# Allegro board RK_EVB7_RK3588_LP4XD200P232SD8_V11_20230111YWQ.brd (continued)
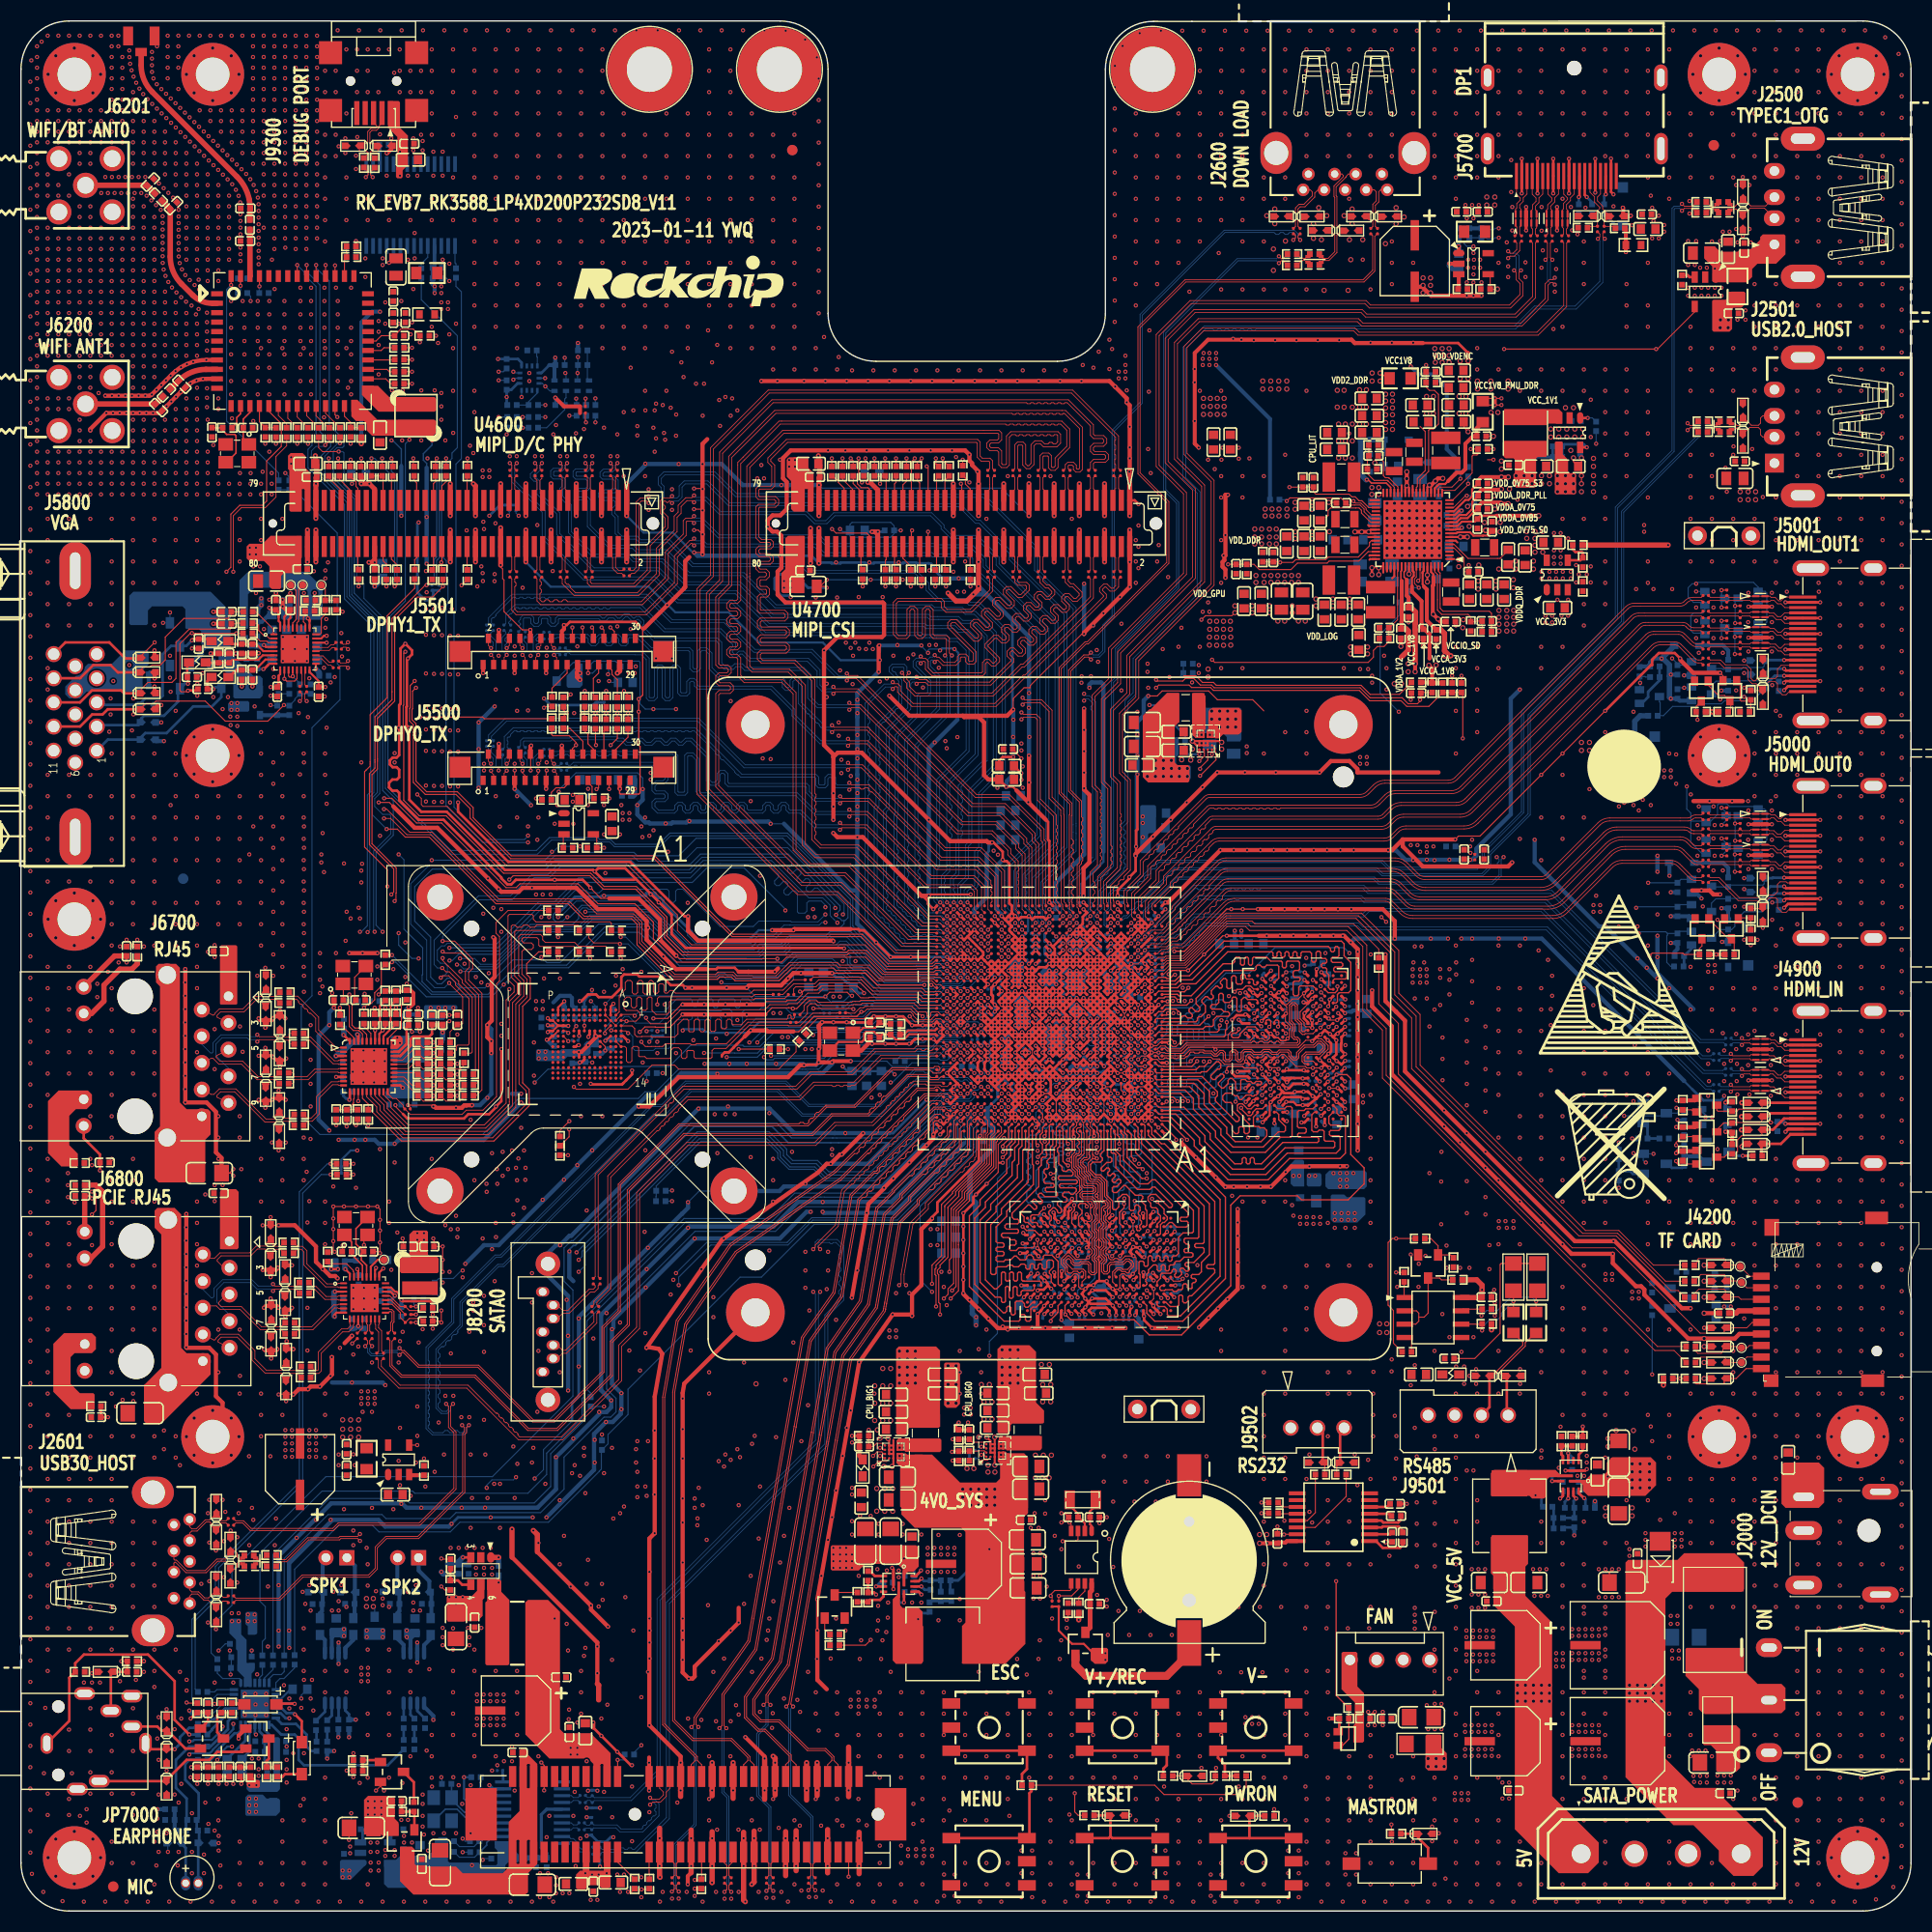
[diagram p0: board, top side]
## Nets (continued)
N20810918: R4623.1 R4654.1 U4600.46(I2C1_SDA_M0)
N20810927: R4625.1 R4653.1 U4600.48(I2C1_SCL_M0)
N20929060: R4652.1 U4600.60(LIGHT_SENSOR2/3/XHS0)
N21016906: C1101.1 R1101.1 Y1100.1(X1)
N21139775: J5501.22 R5541.1
N21252182: Q2000.3(COLLECTOR) R2030.2
N21252215: Q2000.1(BASE) R2031.2 R2032.1
N21575897: D4900.2(K) R4914.1 R4920.1
N22607580: ED9202.1 R9204.2 SW9204.2 SW9204.3
N23213062: R1203.1 U1000.F18(DDR_CH1_ZQ_D)
N23947332: Q4900.1(BASE) R4908.2 R4911.1
N24141374: R1201.1 U1000.H7(DDR_CH0_ZQ_B)
N24452184: R4003.2 R4004.1 U4000.H5(DATA STROBE)
N24510074: D5007.2(K) R5039.1
N24515533: C6816.2 J6800.1(TCT)
N24519353: C6702.2 J6700.1(TCT)
N24731207: Q4901.1(GATE) R4912.2 R4915.1
N25391296: ED7002.1 JP7000.2 Q7000.2(SOURCE)
N25391335: C7026.1 R7026.2
N25391469: ED7003.1 JP7000.3 Q7001.2(SOURCE)
N25391485: C7016.1 R7010.2 R7011.1
N25391524: Q7001.3(DRAIN) R7018.2 R7020.1
N25391526: Q7000.3(DRAIN) R7017.2 R7021.1
N25391783: C7032.1 R7031.2
N25391930: C7018.1 R7013.2 R7016.1
N25392255: C7007.1 U7000.24(LIN1)
N25392257: C7009.1 U7000.22(LIN2)
N25392262: C7010.1 U7000.21(RIN2)
N25392270: C7012.1 U7000.19(ADCVREF)
N25392272: C7013.1 U7000.10(VREF)
N25392276: C7011.1 U7000.20(VMID)
N25392529: R7002.2 U7000.1(MCLK)
N25392543: R7003.2 U7000.5(SCLK)
N25392545: R7004.2 U7000.6(DSDIN)
N25392559: R7005.2 U7000.7(LRCK)
N25392573: R7006.2 U7000.8(ASDOUT)
N25392575: R7007.2 U7000.28(CCLK)
N25392589: R7008.2 U7000.27(CDATA)
N25392640: C7019.2 R7017.1
N25392698: C7021.2 R7018.1
N25392926: C7008.1 U7000.23(RIN1)
N25392986: C7026.2 U7001.4(IN-)
N25392988: C7025.1 R7025.2
N25392990: C7025.2 U7001.3(IN+)
N25392994: C7024.2 U7001.2(BYPASS)
N25393014: L7000.1 U7001.8(VOP)
N25393016: L7001.1 U7001.5(VON)
N25393095: C7030.2 U7002.2(BYPASS)
N25393112: C7032.2 U7002.4(IN-)
N25393114: C7031.1 R7030.2
N25393116: C7031.2 U7002.3(IN+)
N25393126: L7002.1 U7002.8(VOP)
N25393128: L7003.1 U7002.5(VON)
N25393326: C7023.1 Q7000.1(GATE) Q7001.1(GATE) R7023.1
N25499961: R4724.2 U4700.39(MIPI0_MCLK0)
N25504330: R4726.2 U4700.45(I2C0_SDA_M0)
N25504332: R4728.2 U4700.47(I2C0_SCL_M0)
N25504408: R4732.2 U4700.51(MIPI0_0_PDN)
N25507326: R4736.2 U4700.65(MIPI0_PWREN)
N25509379: R4622.2 U4600.45(I2C0_SDA_M0)
N25509383: R4624.2 U4600.47(I2C0_SCL_M0)
N25509701: R4628.2 U4600.51(MIPI0_0_PDN)
N25509820: R4735.2 U4700.57(CAM0/1_FSYNC)
N25577566: R4738.2 U4700.67(IRC_0/1_AIN)
N25577570: R4739.2 U4700.69(IRC_0/1_BIN)
N25578810: J5500.17 R5510.2
N25578833: J5500.23 R5515.2
N25578836: J5500.24 R5516.1
N25578897: J5500.25 R5517.2
N25578906: J5500.26 R5518.1
N25580609: J5500.21 R5513.2
N25892898: R9202.2 R9203.1 SW9202.2 SW9202.3
N25892934: R9203.2 R9205.1 SW9203.2 SW9203.3
N25892972: R9205.2 SW9205.2 SW9205.3
N26112788: D5002.2(K) R5018.1
N26380646: ED9203.1 R9206.2 SW9206.1
N26649087: Q4903.1(BASE) R4918.2 R4921.1
N26649586: Q4901.3(DRAIN) R4910.1
N26651308: Q4903.3(COLLECTOR) R4915.2
N28022632: C6203.1 C6206.1 J6201.1(ANT)
N28022638: C6203.2 C6205.1 U6200.2(WL/BT_ANT0)
N28023202: C6200.1 C6202.1 J6200.1(ANT)
N28023206: C6200.2 C6201.1 U6200.9(WL_ANT1)
N28070862: C9513.2 U9502.1(C1+)
N28070864: C9513.1 U9502.3(C1-)
N28070870: C9515.2 U9502.2(V+)
N28070872: C9516.2 U9502.4(C2+)
N28070874: C9516.1 U9502.5(C2-)
N28070880: C9517.2 U9502.6(V-)
N28070896: R9519.1 U9502.14(DOUT1)
N28070898: R9520.1 U9502.13(RIN1)
N28070949: R9521.1 U9502.12(ROUT1)
N28070963: R9522.1 U9502.11(DIN1)
N28073800: C9511.2 C9512.1 FB9501.1 J9501.3(TX) J9501.4(3V3)
N28074016: R9510.1 R9513.1 R9516.1 U9501.7(B)
N28074018: R9509.2 R9512.1 R9514.1 U9501.6(A)
N28074020: R9511.2 U9501.1(RO)
N28074022: R9515.2 U9501.4(DI)
N28074024: Q9500.3(COLLECTOR) R9508.2 U9501.2(RE#) U9501.3(DE)
N28074040: Q9500.1(BASE) R9517.2 R9518.1
N28074092: C9511.1 R9513.2 R9514.2
N28074142: ED9501.1 J9501.1(GND) R9510.2
N28074144: ED9500.1 J9501.2(RX) R9512.2
N28755343: C9001.1 CON9000.4(LEDA) R9003.2
N30846647: J5501.20 R5554.1
N31058453: R4640.2 U4600.67(IRC_0/1_AIN)
N31058456: R4641.2 U4600.69(IRC_0/1_BIN)
N31117704: R5808.1 U5800.3(RSET)
N31118079: R5807.2 U5800.24(URDBG)
N31118123: R5810.2 U5800.26(HPD)
N31118167: TP5801.1 U5800.28(PCSCL)
N31118171: TP5802.1 U5800.29(PCSDA)
N31118344: D5800.2(K) R5800.1 R5801.1
N31227986: R4626.2 U4600.65(MIPI0_PWREN)
N31228094: R4730.2 U4700.55(MIPI0_1_PDN)
N31270098: R4725.1 U4700.40(MIPI1_MCLK0)
N31270184: R4733.1 U4700.52(MIPI1_0_PDN)
N31270490: R4731.1 U4700.56(MIPI1_1_PDN)
N31270508: R4734.1 U4700.58(CAM2/3_FSYNC)
N31270524: R4737.1 U4700.66(MIPI1_PWREN)
N31270544: R4751.1 U4700.60(LIGHT_SENSOR2/3/XHS0)
N31271903: R4627.1 U4600.66(MIPI1_PWREN)
N31271965: R4631.1 U4600.58(CAM2/3_FSYNC)
N31272006: R4629.1 U4600.52(MIPI1_0_PDN)
N63228233: R3817.1 U3801.T2(ODT_CA_B)
N63228239: R3816.2 U3801.G2(ODT_CA_A)
N63228245: R3818.2 U3801.A5(ZQ0)
N63228247: R3819.2 U3801.A8(ZQ1)
N63380732: R3807.1 U3800.T2(ODT_CA_B)
N63380738: R3806.2 U3800.G2(ODT_CA_A)
N63380744: R3809.2 U3800.A5(ZQ0)
N63380746: R3810.2 U3800.A8(ZQ1)
N65887084: R1200.1 U1000.W8(DDR_CH0_ZQ_A)

Pads without a net: CON9000 5 6; J4900 14; J5800 4 11; J9300 4; M9900 1; M9901 1; M9902 1; M9903 1; M9904 1; M9905 1; M9906 1; M9907 1; U1000 AD4 AF18 AK8 AK16 AL8 AL17 AM17 C19 D7 D10 D14 D17 E7 E10 E17 G9 G18 G30 G31 H4 H5 H9 H18 K4 K5 K7 L32 L33 M7 T5 V6 V7 W4 W5; U2000 4; U2100 4; U2200 2 3 16 38 47 48; U2401 3; U3800 A1 A2 A11 A12 AA1 AA12 AB1 AB2 AB11 AB12 B1 B12 G11 K5 K8 N5 N8; U3801 A1 A2 A11 A12 AA1 AA12 AB1 AB2 AB11 AB12 B1 B12 G11 K5 K8 N5 N8; U4000 A2 A7 A8 A9 A10 A11 A12 A13 A14 B1 B7 B8 B9 B10 B11 B12 B13 B14 C1 C3 C7 C8 C9 C10 C11 C12 C13 C14 D1 D2 D3 D4 D12 D13 D14 E1 E2 E3 E5 E8 E9 E10 E12 E13 E14 F1 F2 F3 F10 F12 F13 F14 G1 G2 G3 G10 G12 G13 G14 H1 H2 H3 H12 H13 H14 J1 J2 J3 J12 J13 J14 K1 K2 K3 K6 K7 K10 K12 K13 K14 L1 L2 L3 L12 L13 L14 M1 M2 M3 M7 M8 M9 M10 M11 M12 M13 M14 N1 N3 N6 N7 N8 N9 N10 N11 N12 N13 N14 P1 P2 P7 P8 P9 P10 P11 P12 P13 P14; U4600 33 34 35 36 41 42 49 50 53 54 55 56 63 64 68 70 71 72 73 74; U4700 42 68 70 71 72 73 74; U5800 27; U6200 12 33 35 37 44 45 46; U7000 9 25; U8100 A5 A6 A7 A8 A19 A32 B5 B6 B9 B30; U8102 11 12; U9000 2 3 9 10; U9300 2 3 6 8 9 10 11 12 13 14 19 22 23 24 27 28; U9502 7 8 9 10

## Via types
v1: diameter 0.4, hole 0.2, TOP to BOTTOM, 8222 vias
v2: diameter 0.5, hole 0.3, TOP to BOTTOM, 732 vias

## Routing (per net, layer and track width the routed paths; a pad name or vN(x,y) marks a point on that pad's centre or on a via; arc(x,y) is an arc through that point)
AVDD3V3_CODEC: length 3.9
  BOTTOM w0.254: U7000.17 22.73,17.09 23.21,16.61 C7002.1 C7006.1 23.21,14.38 R7000.2
GND: length 7053.9
  TOP w0.086: 103.78,78.5 103.79,78.5 v1(103.79,77.85) ; v1(72.03,90.7) 69.11,90.7
  TOP w0.089: U1000.M3 106.72,81.43 v1(106.39,81.1) ; v1(80.04,85.64) 80.32,85.64 80.57,85.89 84.73,85.89 85.24,85.38 85.68,85.38 85.87,85.2 v1(85.87,85.2) ; v1(106.39,85.65) v1(106.39,86.3) ; 102.82,85.98 U1000.W10 ; v1(79.27,85.89) 79.22,85.89 79.18,85.93 ; 105.07,86.93 104.42,86.93 ; U1000.AK11 102.17,93.13 ; U1000.A11 102.17,74.37 101.84,74.7 v1(101.84,75.25) ; v1(109.32,82.66) 109.48,82.5 ; 103.14,75.99 103.14,77.2 ; U1000.M20 U1000.N20 ; 100.36,73.47 100.36,73.62 100.28,73.7 v1(100.28,73.75) ; U1000.AF29 90.47,90.53 ; U1000.AN31 89.17,95.08 ; U1000.AM30 89.82,94.43 ; Q5020.2 162.1,117.65 v1(161.82,117.92) ; U1000.AG15 U1000.AH15 U1000.AJ15 ; 102.05,73.47 102.05,73.67 v1(102.21,73.82) ; v1(105.74,90.2) 106.39,90.2 U1000.AF4 ; 80.16,87.62 80.29,87.49 v1(80.29,87.41) ; U1000.AF31 89.17,90.53 ; 101.24,73.47 101.24,74.08 101.19,74.13 v1(101.19,75.25) ; U1000.AL25 93.07,93.78 ; U1000.AA10 102.82,87.28 ; U1000.W11 102.17,85.98 ; v1(91.34,73.83) 91.47,73.95 91.47,74.63 U1000.B27 ; 99.85,71.41 v1(99.72,71.54) ; v1(98.59,86.95) U1000.AA17 ; v1(109.11,80.78) 109.48,80.78 ; 109.48,81.68 109,81.68 108.93,81.75 v1(108.34,81.75) ; v1(105.09,85.65) v1(105.09,85) ; 103.17,86.93 103.12,86.93 ; v1(105.09,79.8) v1(104.44,79.8) ; v1(104.44,76.55) v1(105.09,76.55) ; 101.25,86.36 101.14,86.36 ; 109.29,89.24 v1(109.29,89.22)
  TOP w0.102: 103.65,65.31 103.65,65.53 103.32,65.85 103.32,66.12 103.48,66.28 ; 102.66,63.96 102.66,64.05 ; 102.66,63.96 102.94,63.68 102.94,63.36 102.66,63.08 102.66,62.43 ; 102.66,63.96 102.66,63.1 102.41,63.36 102.41,63.8 102.66,64.05 ; 102.66,64.05 102.66,64.7 ; v1(118.97,80.2) 119.08,80.3 119.64,80.3 119.75,80.19 v1(119.77,80.19) ; 102.66,60.01 103.38,60.01 v1(103.4,59.98) ; 102.66,60.01 102.66,60.11 ; 102.66,60.01 102.54,60.01 102.51,59.98 ; 102.05,72.07 102.05,73.47 ; 102.05,72.07 102.05,71.67 102.02,71.63 ; 102.05,72.07 v1(102.46,71.67) 102.43,71.63 102.02,71.63 ; 100.07,71.19 100.07,70.75 100.41,70.42 100.41,70.02 100.82,69.61 100.82,69.01 ; 100.07,71.19 100.07,71.89 ; 100.07,71.19 99.85,71.41 ; U3800.K9 123.52,83.07 123.85,83.07 124.49,82.44 124.49,82.08 123.7,81.3 v1(123.7,81.02) ; 100.36,73.47 100.34,73.45 100.34,72.24 100.07,71.97 100.07,71.89 ; v1(94.49,114.42) 94.49,115.46 95.53,116.5 96.12,116.5 96.12,116.71 101.04,121.63 v1(101.24,121.63) ; v2(115.61,123.65) 115.32,123.36 112.8,123.36 v1(112.42,122.98) ; 100.82,68.57 100.51,68.26 100.51,67.71 100.61,67.6 101.49,67.6 ; 100.82,68.57 101.01,68.77 101.01,68.82 100.82,69.01 ; 100.82,68.57 100.82,69.01 ; 102.66,64.7 102.66,65.06 102.89,65.28 102.89,65.42 102.71,65.6 102.71,65.7 ; 102.66,64.7 102.42,64.95 102.42,65.41 102.71,65.7 ; v1(108.34,81.75) v1(107.69,81.75) ; 120.42,85.43 120.42,84.75 120.9,84.27 120.9,84.09 120.8,83.98 120.8,83.28 v1(120.62,83.1) ; v1(120.46,85.47) 120.55,85.56 120.55,86.1 120.33,86.31 ; v1(107.87,59.25) 107.87,58.3 U3801.D11 ; U3800.K2 117.92,83.07 118.29,83.07 118.44,82.92 118.69,82.92 118.9,83.12 118.9,83.43 v1(119.02,83.55) ; 120.33,86.31 120.55,86.31 121.09,86.86 121.65,86.86 v1(122.19,87.4) 122.19,87.04 122.57,86.67 U3800.E8 122.57,86.39 121.82,85.64 121.82,84.98 122.2,84.6 122.2,84.37 122.36,84.21 122.74,84.21 122.85,84.1 v1(122.97,84.1) ; 120.33,86.31 U3800.E5 ; U1000.P1 108.49,82.73 108.17,82.4 v1(107.69,82.4) ; v1(96.8,63.92) 96.82,63.9 96.82,63.15 v1(96.8,63.13) ; U3801.G8 105.48,60.49 105.28,60.49 105.08,60.7 104.83,60.7 104.64,60.51 104.64,59.23 v1(104.67,59.2) 104.46,59.2 104.42,59.23 104,59.23 ; 100.07,71.89 v1(99.72,71.54) ; 103.73,67.07 103.48,66.82 103.48,66.82 103.48,66.28 ; 103.73,67.07 103.73,67.53 103.2,68.06 103.2,69.41 102.72,69.89 102.23,69.89 102.03,70.09 102.03,70.12 101.65,70.5 101.65,71.27 102.02,71.63 ; 103.73,67.07 103.73,66.52 103.48,66.28 ; 102.66,62.43 102.66,62.41 ; 102.66,62.43 102.41,62.18 102.66,61.93 ; 102.66,62.41 102.97,62.1 102.97,62.03 102.71,61.77 102.71,60.16 102.66,60.11 ; 102.66,62.41 102.66,61.93 ; 102.66,60.11 102.66,61.93 ; v1(122.96,82.84) 122.88,82.93 122.36,82.93 121.69,82.26 113.54,82.26 ; 113.54,82.26 113.74,82.06 v1(113.76,82.06) ; 113.54,82.26 111.2,82.26 110.62,81.68 109.48,81.68 ; U1000.A14 100.22,74.48 100.54,74.8 v1(100.54,75.25) ; 101.36,59.24 100.94,59.24 100.73,59.45 100.73,60.5 100.53,60.7 100.29,60.7 99.97,60.38 U3801.T8 99.45,60.68 99.45,61.23 99.06,61.62 99.06,62.09 U3801.T5 100.46,62.06 101.42,62.06 102,62.65 102,62.9 101.74,63.16 101.52,63.16 v1(101.5,63.19) ; 114.96,82.92 117.09,82.92 117.44,83.27 v1(117.44,83.55) ; 114.96,82.92 110.72,82.92 110.57,82.77 v1(110.52,82.77) 110.46,82.72 110.39,82.72 110.01,82.34 109.64,82.34 109.48,82.5 ; 114.96,82.92 114.96,83.46 115.47,83.96 v1(115.47,83.99) ; v1(101.39,65.59) 101.48,65.68 101.82,65.68 102,65.86 102,66.23 101.85,66.38 101.85,66.97 ; 101.85,66.97 101.85,67.24 101.49,67.6 ; 101.85,66.97 101.97,66.97 102.1,67.1 102.1,67.22 101.98,67.34 101.98,67.53 101.9,67.6 101.49,67.6 ; 102.71,65.7 102.71,67.48 102.59,67.6 102.59,67.89 102.46,68.02 102.46,68.11 v1(102.44,68.14) 102.45,68.15 102.45,68.32 102.59,68.45 102.59,69.11 102.42,69.28 101.53,69.28 101.43,69.38 101.43,69.86 101.02,70.27 101.02,70.68 100.68,71.02 100.68,71.55 101.24,72.11 101.24,73.47 ; U3801.N4 101.72,63.6 101.72,63.98 102,64.26 102,64.5 101.7,64.81 U3801.N2 ; v1(105.91,65.67) 105.91,64.72 v1(105.87,64.68) ; v1(105.89,60.67) 106.2,60.98 106.2,62.2 106.02,62.38 v1(105.95,62.38) 105.16,62.38 104.8,62.02 104.55,62.02 104.42,62.14 104.17,62.14 104.04,62.02 103.78,62.02 103.58,62.22 103.58,62.4 103.32,62.66 103.32,62.88 103.65,63.21 U3801.K4 103.65,63.84 103.35,64.14 103.35,64.88 U3801.K2 ; v1(125.35,84.85) 124.69,84.85 v1(124.55,84.99) ; 114.45,92.88 v1(114.83,92.88) ; v1(123.83,80.29) v1(123.03,80.29) 122.47,80.29 122.33,80.43 121.45,80.43 120.29,81.59 120.05,81.59 119.74,81.28 U3800.N4 118.99,81.28 118.68,81.6 118.46,81.6 118.14,81.28 U3800.N2 117.39,81.28 117.08,81.6 116.86,81.6 116.66,81.4 116.66,80.93 v1(116.68,80.91) 116.42,80.65 114.62,80.65 114.12,81.14 113.51,81.14 113.33,81.32 111.81,81.32 111.43,80.94 v1(111.4,80.94) 111.4,80.91 111.27,80.78 109.48,80.78 ; 107.04,78.5 106.39,78.5 ; 107.69,81.1 108.19,81.1 108.52,80.78 U1000.L1 ; v1(125.39,78.38) 125.37,78.35 124.62,78.35 v1(124.59,78.38) ; 98.59,77.2 98.59,75.9 ; v1(103.14,78.5) 103.78,78.5 ; 103.14,75.9 103.14,75.99 ; 93.07,70.47 93.07,73.02 93.62,73.57 v1(93.62,73.62)
  TOP w0.104: R5808.2 v1(20.5,121.68) 16.13,121.68 15.14,120.69 15.14,116.22 15.24,116.12 15.77,116.12 15.88,116.22 v1(15.9,116.22) ; v1(24.54,49.19) 24.57,49.23 ED6807.2 ; C1510.2 v1(137.19,117.64) ; v1(59.97,107.76) 59.99,107.76 61.16,108.93 J5500.32 ; C2257.2 v2(134.77,120.44) ; J5500.10 48.54,110.15 v1(48.54,108.63) ; v1(39.27,64.05) 39.34,63.98 C6807.2 v1(40.16,63.29) v1(40.16,62.02) v1(40.16,60.87) ; C6720.2 v1(40.79,85.33) C6708.2 ; v1(36.35,64.05) 36.41,63.99 C6808.2 ; U4000.E7 55.64,82.33 v1(55.64,81.95) ; v1(20.22,70.65) 19.84,70.27 ; 19.84,70.27 19.96,70.27 v1(20.22,70.02) ; 19.84,70.27 C6703.1 ; v1(64.91,129.2) 64.72,129.39 v1(64.1,129.39) ; v1(102.71,36.93) C2400.2 v1(103.4,37.51) ; v1(35.66,76.75) 35.66,76.62 36.37,75.91 ; v1(50.06,108.63) 50.01,108.57 J5500.13 ; Y6800.2 32.66,64.05 v1(32.66,63.43) ; v1(49.56,14.14) 49.82,13.87 U8100.A4 v1(49.82,11.48) ; C2254.2 v1(132.16,122.72) ; 76.1,126.15 76.61,126.15 v1(76.73,126.02) ; 76.1,126.15 v1(76.73,126.79) ; 76.1,126.15 C4702.2 ; v1(64.91,133.39) 64.8,133.51 v1(64.09,133.51) ; 54.25,97.45 54.42,97.28 54.42,97.24 55.23,96.43 56.03,96.43 ; v1(33.63,79.92) v1(34.65,78.91) ; C2402.2 99.4,37.89 v1(99.09,37.89) ; C2402.2 99.78,37.07 v1(99.85,37) 100.02,36.83 U2400.4 ; C2402.2 99.27,37 v1(99.09,37) ; R6802.1 29.84,62.75 v1(29.87,62.78) 29.74,62.91 v1(29.74,63.79) v1(29.74,64.94) v1(29.74,65.95) v1(29.74,67.1) v1(30.76,67.1) v1(31.9,67.1) v1(33.05,67.1) v1(33.93,67.1) 34.19,66.84 v1(34.19,65.83) v1(34.19,64.81) v1(34.19,63.67) v1(34.19,62.65) 34.04,62.8 C6803.2 ; v1(79.15,87.16) 79.02,87.16 78.68,87.5 77.01,87.5 v1(76.61,87.09) 76.51,86.99 75.03,86.99 75.03,86.99 74.92,86.99 73.88,85.94 v1(73.51,85.94) 73.44,86.02 73.11,86.02 73.1,86.01 71.52,86.01 70.89,85.38 ; v2(137.82,140.88) 137.44,141.26 137.44,141.79 C2243.2 ; C2256.2 v2(140.23,140.45) ; v1(32.61,79.92) v1(31.6,78.91) ; v1(89.75,58.84) 89.75,58.77 ; v1(150.88,114.3) v1(146.81,110.24) v1(144.78,108.2) 138.95,102.38 136.9,102.38 v1(136.58,102.05) ; v1(64.1,131.51) 64.5,131.51 v1(64.91,131.1) ; C6700.2 32.78,87.3 v1(32.73,87.35) ; v1(31.65,12.74) 31.66,12.75 R8135.2 31.04,13.35 v1(31.01,13.38) ; v1(40.03,33.57) 40.09,33.51 C8127.2 ; v1(6.76,68.51) 6.76,68.49 6.92,68.49 7.14,68.27 7.14,66.72 v1(6.76,66.33) ; C6715.2 v1(37.81,86.02) ; 151.28,32.17 151.28,32.3 v1(151.54,32.55) ; 151.28,32.17 v1(150.9,32.55) ; 151.28,32.17 C2002.2 ; v1(62.41,91) 62.71,90.7 69.11,90.7 ; v1(30.12,142.28) 29.91,142.5 U6200.23 ; C6713.2 37.06,76.55 v1(36.86,76.75) 39.16,76.75 39.27,76.64 v1(39.27,76.62) ; ED9201.2 v1(105.64,9.11) ; v1(32.66,58.33) v1(31.65,59.35) ; ED9202.2 v1(115.09,9.06) ; v1(129.69,17.69) 129.62,17.76 C2404.2 129.62,18.89 v1(129.69,18.96) ; v1(140.3,59.16) 140.05,58.91 C9510.2 ; C8130.2 v1(31.24,6.77) ; 34.23,11.89 34.57,11.56 v1(34.57,11.47) ; 34.23,11.89 Q8101.2 ; 34.23,11.89 v1(33.81,11.47) ; 79.18,85.93 79.16,85.96 75.47,85.96 v1(75.46,85.96) ; U6200.39 v1(29.91,156.72) ; v1(17.3,117.9) 16.92,117.52 C5826.2 ; v1(60.22,85) 61.58,85 62.85,86.27 62.96,86.27 v1(63.02,86.33) ; R1509.2 v1(136.3,117.64) ; v1(45.68,128.18) 45.68,127.99 45.87,127.8 45.87,126.89 46,126.76 46,123.76 47.75,122.01 v1(48.51,122.01) ; ED6807.2 v1(25.25,48.55) ; ED6807.2 25.9,49.23 v1(25.93,49.19) ; v2(148.62,138.39) 148.62,137.84 148.36,137.58 C2319.2 ; 74.3,87.57 74.41,87.46 74.41,87.32 73.8,86.71 72.95,86.71 72.86,86.61 70.97,86.61 70.7,86.33 ; 74.3,87.57 74.45,87.57 74.59,87.72 75.64,87.72 75.64,87.72 75.83,87.72 76.21,88.1 79.64,88.1 79.92,87.82 79.97,87.82 80.16,87.62 ; 74.3,87.57 v1(74.19,87.57) ; v1(31.01,74.72) 31.04,74.74 C6714.2 ; ED6800.2 v1(23.77,66.08) ; ED6800.2 v1(24.54,65.31) ; ED6800.2 v1(23.01,65.31) ; v1(32.61,80.94) v1(31.6,81.96) ; C6716.2 37.81,83.92 v1(38,83.73) ; v1(23.77,115.74) 23.84,115.67 C5815.2 ; C6802.2 30.63,62.85 v1(30.63,63.41) ; C4704.2 80.31,137.57 80.42,137.68 80.42,138.34 v1(80.42,138.34) ; C1511.2 132.42,115.41 v1(132.36,115.36) ; J5500.7 47.01,108.62 v1(47.02,108.63) ; v1(30.63,123.74) 30.63,123.82 30.53,123.92 R5809.2 29.87,123.92 ; U4000.C4 55.62,83.79 55.62,83.64 55.66,83.61 55.66,83.59 v1(55.61,83.59) ; 118.36,114.3 117.31,115.36 113.94,115.36 113.1,116.2 108.69,116.2 108.21,115.72 v1(107.36,115.72) ; v1(18.44,19.73) 18.37,19.79 C7023.2 ; v1(64.91,135.42) 64.86,135.47 v1(64.1,135.47) ; ED9301.2 v1(35.27,168.82) ; v2(148.62,135.93) v2(148.62,136.69) 148.62,137.27 C2319.2 ; v1(33.63,80.94) v1(34.65,81.96) ; R2212.2 v1(140.23,139.23) ; 35.46,105.2 35.08,105.58 v1(34.06,105.58) ; C2319.2 147.85,138.03 v2(147.85,138.39) ; C5813.2 v1(28.92,115.67) ; v1(39.21,56.81) C6804.2 39.9,56.17 v1(40.03,56.05) v1(40.03,57.19) ; C2266.2 125.23,134.15 v2(124.55,134.15) ; U9502.15 120.32,35.88 v1(120.29,35.85) 120.21,35.94 119.68,35.94 C9514.2 v1(119.66,36.62) ; v1(32.41,138.34) 32.41,137.63 C4604.2 ; 93.07,70.47 93.07,70.35 v1(91.97,69.26) ; 139.67,138.22 v1(140.23,138.22) ; v1(58.93,83.72) 59.41,84.2 60.4,84.2 60.42,84.17 61.8,84.17 v1(63.02,85.38)
  TOP w0.127: v1(77.24,89.32) 80.42,89.32 81.55,88.19 v1(86.04,88.19) ; 109.29,89.24 109.63,89.58 v1(111.15,89.58) 114.45,92.88 ; v1(87.54,75.25) 87.05,75.25 86.89,75.1 86.89,73.95 ; 59.33,122.15 59.27,122.15 59.21,122.09 59.21,115.8 v1(58.83,115.43) 58.83,111.16 58.77,111.1 58.96,110.91 58.96,106.5 58.83,106.37 57.1,106.37 57.01,106.46 57.01,106.85 v1(57.04,106.87) ; v1(109.83,91.4) 110.82,91.4 114.83,95.42 v1(115.27,95.42) v1(116.36,95.42) v1(117.81,95.42) ; 97.94,77.85 v1(97.29,77.85) ; 73.56,83.76 73.59,83.73 74.07,83.73 75.53,85.2 79.6,85.2 v1(80.04,85.64)
  TOP w0.152: v1(120.62,83.1) 120.42,82.89 120.01,82.89 119.73,83.17 119.42,83.17 U3800.K4 ; v1(124.5,86.16) 124.59,86.25 124.59,86.75 v1(124.64,86.8) ; U4000.N5 U4000.P6
  TOP w0.203: v1(90.45,96.81) 86.59,96.81 v1(86.46,96.69) ; v1(93.84,107.06) 94.47,107.06 94.81,106.72 ; U2303.C2 U2303.C1 114.24,111.42 v2(114.35,111.31) ; U2303.C2 U2303.C3 ; U2303.C2 U2303.B2 U2303.B3 ; U2301.C2 U2301.C3 ; U2301.C2 U2301.C1 83.08,42.46 v2(82.96,42.33) ; U2301.C2 U2301.B2 U2301.B3 ; U2301.C3 U2301.C4 ; U2301.C3 U2301.B3 ; 83.08,44.87 U2301.C4 ; U2301.C4 U2301.B4 ; v1(122.07,76.75) 121.49,76.75 121.18,77.06 v1(120.49,77.06) ; U2303.B4 111.96,111.02 v2(111.56,111.42) U2303.C4 ; U2303.B4 U2303.C4 ; U2303.B4 U2303.B3 ; U4000.N2 51.15,86.05 v1(51.74,86.64) ; v2(91.97,45.13) 92.34,44.76 U2300.B4 ; U2300.C4 U2300.C3 ; U2300.C4 U2300.B4 ; U2300.C4 v2(92.74,45.13) ; U2300.C3 U2300.C2 ; U2300.C3 U2300.B3 ; U2300.B3 U2300.B2 U2300.C2 ; U2300.B3 U2300.B4 ; v2(82.58,45) 82.68,44.89 U2301.B4 ; v1(119.02,77.03) 118.92,76.93 118.92,75.78 U3800.AB3 ; U2300.C2 U2300.C1 92.74,42.47 v2(92.75,42.46) ; 45.49,121.18 J5501.4 ; U3800.G3 118.16,84.77 v1(118.16,84.76) ; U2303.C3 U2303.C4 ; U2303.C3 U2303.B3 ; U3800.A3 v1(119.04,89.56) ; U2301.B4 U2301.B3 ; 93.14,71.26 v1(93.5,71.26) ; v1(81.05,82.59) v1(82.32,82.59) ; v1(50.17,84.37) 50.22,84.32 U4000.P4 ; U3800.A10 v1(123.84,89.4)